# Altium PCB BACKPMANv20.PcbDoc (part 4 of 4) (continued)
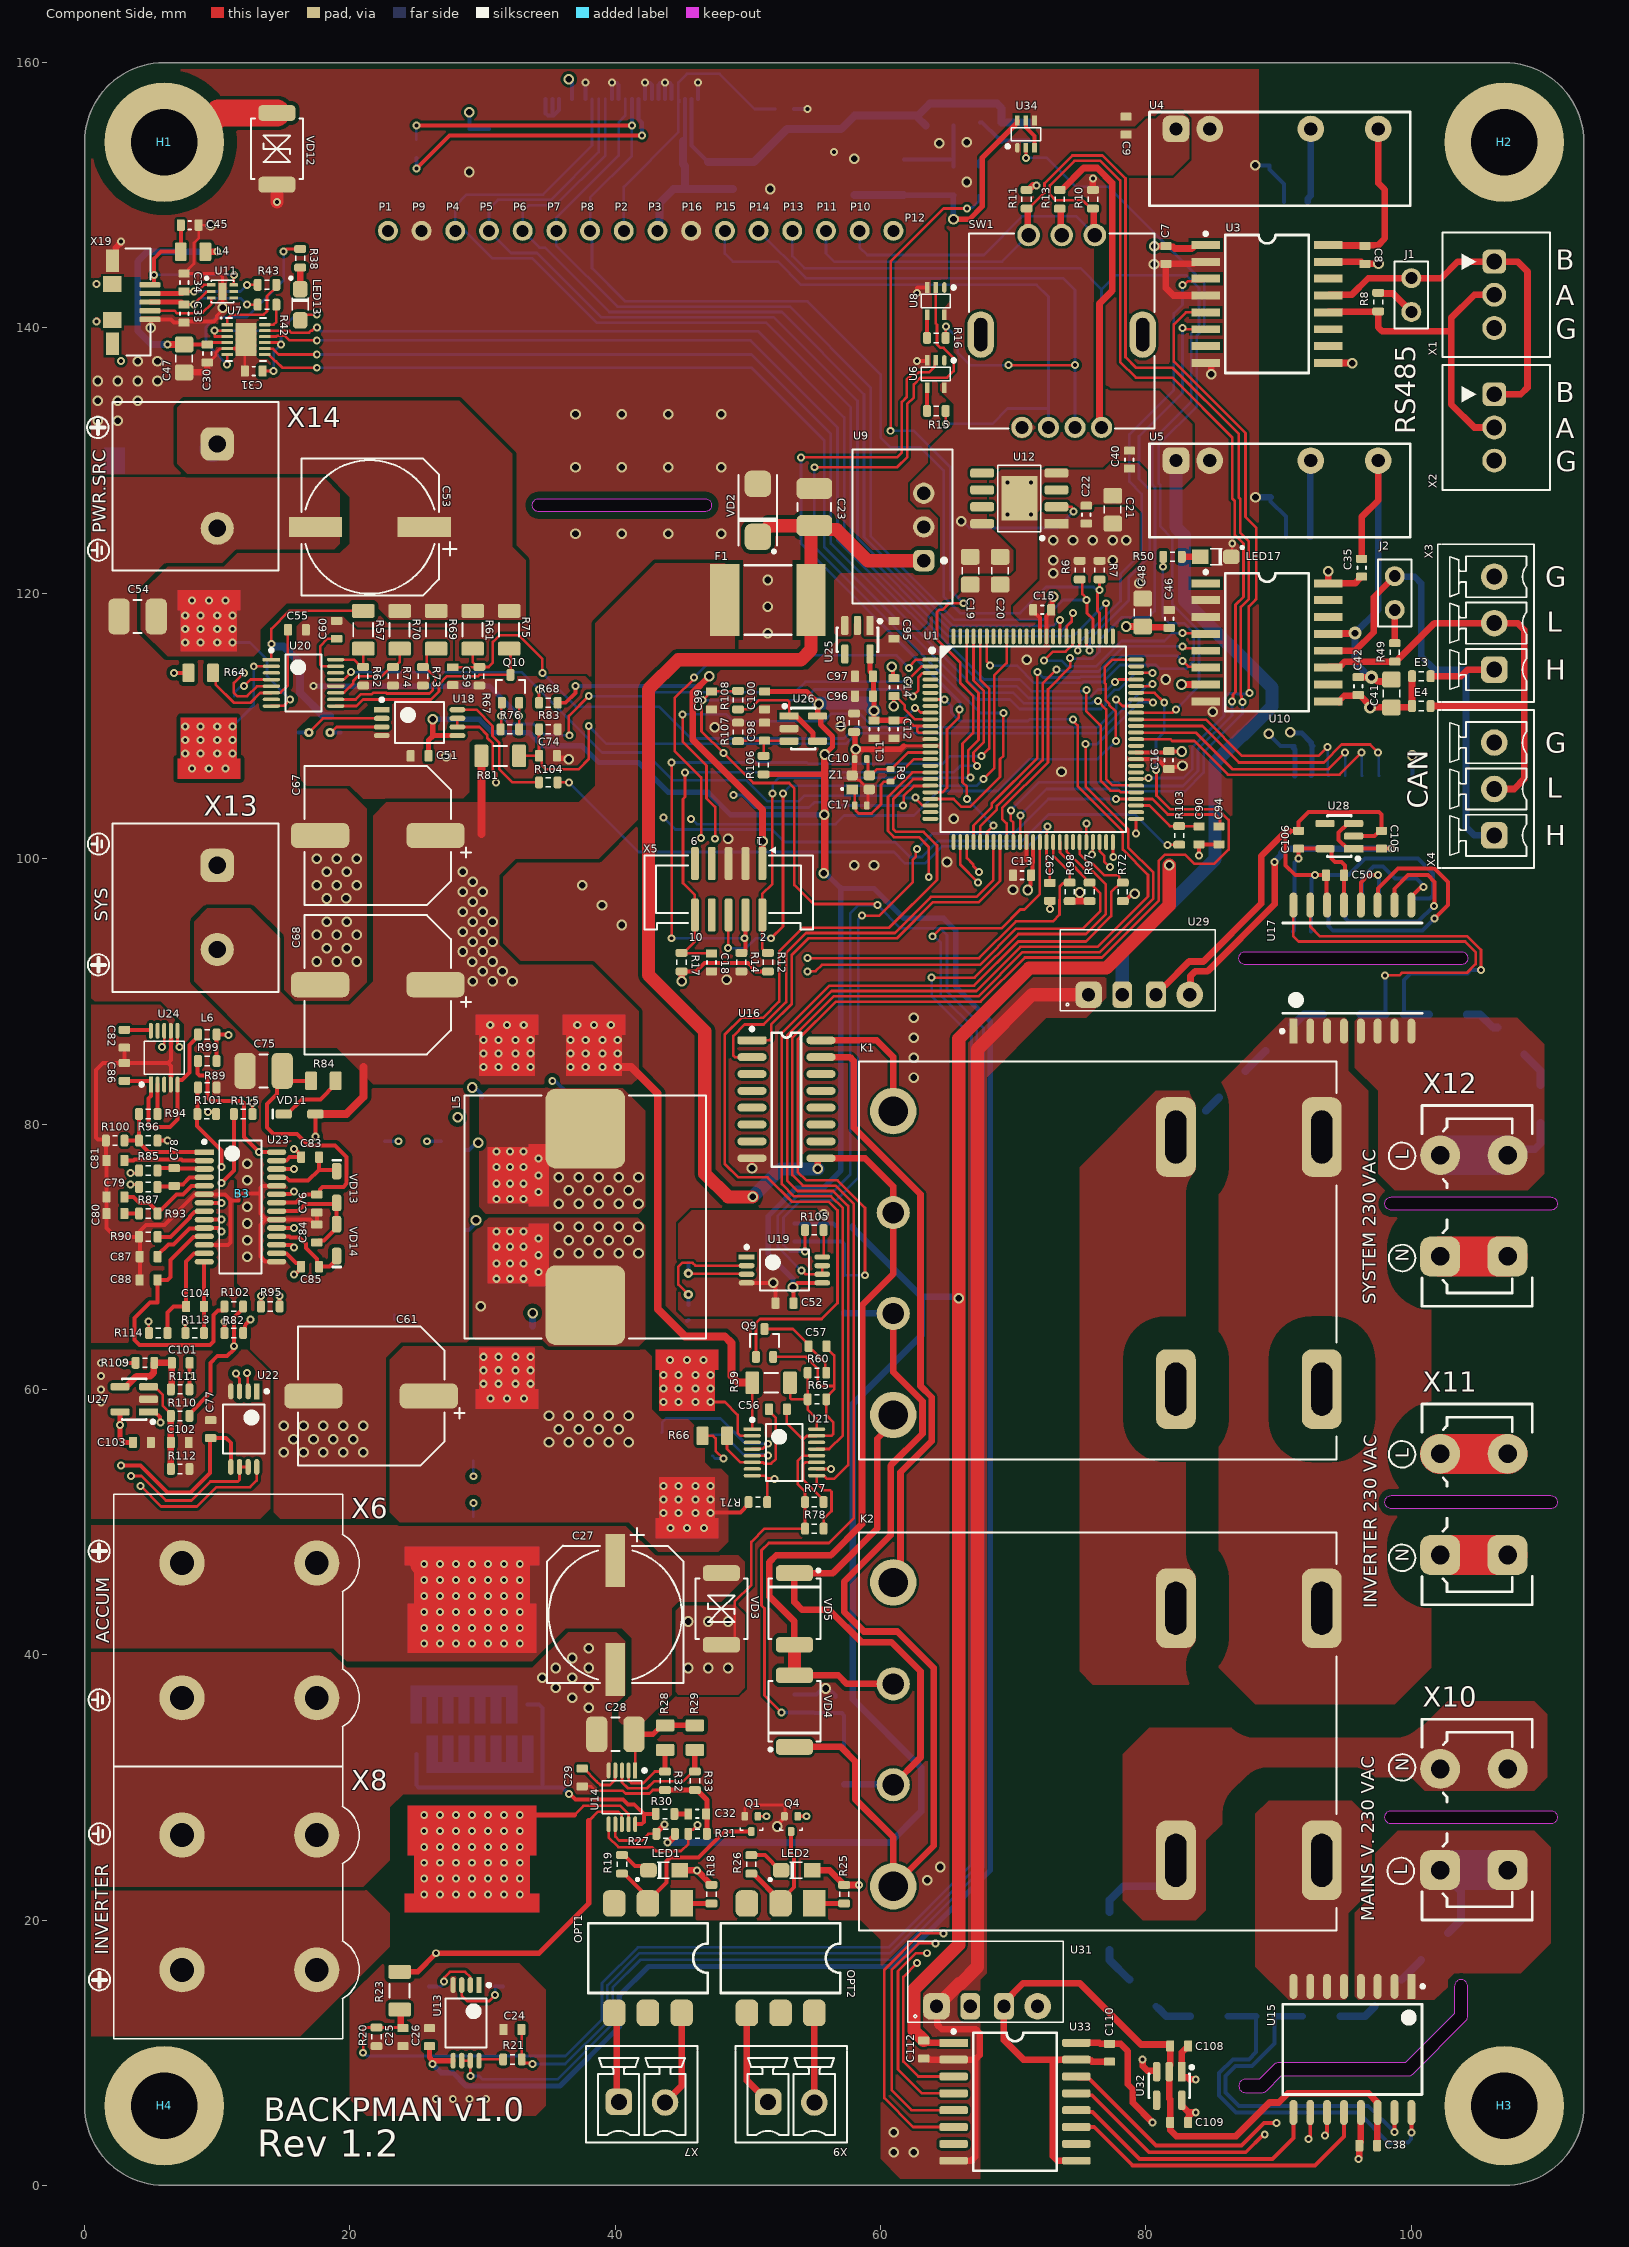
[diagram p0: Component Side view]
## Nets (pads, with @x,y where several pads share a name; then routed paths per layer and width w, separated by ;. In a path a pad name is that pad's centre, name@x,y a point inside that pad or via, vN(x,y) a via of type N, cw(c..) or ccw(c..) an arc to the next point about the centre after c; other vN are vias at no path point) (continued)
  Bottom Layer w0.2: v1(17.5,137) 50.25,137 55.75,131.5 55.75,123.5 67.25,112 69.75,112 70.468,111.282 76.617,111.282 76.968,111.633 76.968,112.067 77.629,112.727 77.921,112.727 79.194,114 v1(80.5,114)
UART0_TX: U1.72 U7.10 | length 82.6
  Component Side w0.2: U7.10@13.58,139.35 14.465,139.35 14.515,139.4 15.1,139.4 15.439,139.061 v1(17.5,139.061) ; v1(77.673,113.327) 77.781,113.327 77.954,113.5 U1.72@79.25,113.5
  Bottom Layer w0.2: v1(17.5,139.061) 50.189,139.061 56.75,132.5 56.75,123.987 67.737,113 70.25,113 71.139,112.111 75.749,112.111 76.388,112.75 77.086,112.75 77.663,113.327 v1(77.673,113.327)
UART1_RTS: U1.57 U3.5 | length 46.4
  Component Side w0.2: U1.57@79.25,106 79.269,106.019 80.136,106.019 v1(80.194,106.078) ; U3.5@84.5,141.17 83.001,141.17 82.1,140.269 82.1,137.466 87.5,132.066 87.5,125.75 88.3,124.95 88.3,119.555 88.25,119.505 88.25,119.5 87.75,119 87.75,112.55 v1(87.8,112.5)
  Bottom Layer w0.2: v1(80.194,106.078) 82.818,106.078 83.475,106.735 83.475,108.366 85.88,110.771 85.88,112.1 86.231,112.452 86.828,112.452 86.865,112.415 87.483,112.415 87.492,112.423 87.723,112.423 v1(87.8,112.5)
UART1_RX: U1.81 U3.3 | length 34.7
  Component Side w0.2: v1(74.856,115.67) 74.895,115.71 74.895,115.951 74.981,116.036 74.981,116.731 U1.81@75,116.75 ; v1(82.75,143.25) 82.885,143.25 83.145,143.51 84.3,143.51 U3.3@84.5,143.71
  Bottom Layer w0.2: v1(74.856,115.67) 74.856,115.778 75.056,115.978 75.056,116.387 78.078,119.409 78.078,121.44 79.675,123.037 79.675,127.5 78.75,128.425 78.75,131.975 82.1,135.325 82.1,141.085 82.75,141.735 v1(82.75,143.25)
UART1_TX: U1.80 U3.6 | length 30.8
  Component Side w0.2: U1.80@75.5,116.75 75.519,116.731 75.519,116.039 75.75,115.808 v1(75.75,115.7) ; v1(82.75,140) 82.85,139.9 U3.6@84.5,139.9
  Bottom Layer w0.2: v1(75.75,115.7) 75.75,116.515 78.7,119.465 78.7,121.2 80.275,122.775 80.275,127.825 79.475,128.625 79.475,131.825 82.75,135.1 v1(82.75,140)
USB_N: C34.1 R43.2 U11.1 X19.2 | length 10.3
  Component Side w0.2: C34.1@7.5,142.75 v1(8.25,142.75) 8.5,142.75 9,143.25 U11.1@9.55,143.25 ; v1(12.25,143.25) R43.2@13.05,143.25
  Component Side w0.381: X19.2@4.927,142.6 5.25,142.6 C34.1@7.35,142.6 ; C34.1@7.35,142.6 C34.1@7.5,142.75 ; C34.1@7.35,142.6 C34.1@7.5,142.75 ; C34.1@7.35,142.6 C34.1@7.5,142.75
  Bottom Layer w0.2: v1(8.25,142.75) 11.75,142.75 v1(12.25,143.25)
USB_P: C33.1 R42.2 U11.2 X19.3 | length 10.3
  Component Side w0.2: C33.1@7.5,141.75 7.512,141.763 8.225,141.763 9.187,142.725 9.526,142.725 U11.2@9.551,142.75 ; v1(12.25,141.75) R42.2@13.05,141.75
  Component Side w0.381: X19.3@4.927,141.95 5.25,141.95 7.3,141.95 C33.1@7.5,141.75
  Bottom Layer w0.2: v1(8.237,141.775) 8.712,142.25 11.75,142.25 v1(12.25,141.75)
VCCIO: C31.1 LED13.1 U7.2 U7.3 U7.9 | length 17.4
  Component Side w0.2: U7.3@10.75,139.35 9.8,139.35 v1(9.8,139.8) U7.2@10.75,139.8 ; C31.1@13.425,136.75 v1(14.25,136.75) ; U7.9@13.58,138.9 14.65,138.9 v1(14.8,138.75) ; LED13.1@16.226,140.551 LED13.1@16.25,140.575 16.675,141 v1(17.5,141)
  Bottom Layer w0.2: v1(9.8,139.8) 14.75,139.8 ; v1(14.25,136.75) 14.25,138.2 v1(14.8,138.75) 14.8,139.75 14.75,139.8 ; v1(17.5,141) 15.95,141 14.75,139.8
VFB: R94.2 R96.1 R100.2 U23.1 | length 8.5
  Component Side w0.3: R100.2@3,78.75 R96.1@4.1,78.75 ; R94.2@4.1,80.75 R96.1@4.1,78.75 ; U23.1@9.025,77.877 4.822,77.877 4.1,78.6 R96.1@4.1,78.75
VIN: C75.1 C76.1 R84.1 U23.22 | length 22
  Component Side w0.3: U23.22@14.475,74.067 14.478,74.07 15.945,74.07 16.55,74.675 C76.1@17.5,74.675 17.6,74.675 17.75,74.825 17.75,75.074 17.926,75.25 19.5,75.25 19.75,75.5 19.75,77.5 18.881,78.369 16.881,78.369 16,79.25 14.25,79.25 13.75,79.75 13.75,81.5 14.5,82.25 14.5,83.481 14.9,83.881 15.531,83.25 R84.1@17.075,83.25
VINSNS: C87.1 R82.1 U23.10 | length 13.6
  Component Side w0.3: C87.1@5.5,70 5.5,70.125 6.31,70.935 6.699,70.935 7.903,72.14 9.002,72.14 U23.10@9.025,72.162 10.063,72.162 v1(10.325,71.9) ; R82.1@10.55,64.25 v1(10.55,65.125)
  Layer 1 w0.3: v1(10.325,71.9) 10.325,65.35 v1(10.55,65.125)
VOUTSNS: C88.1 R102.1 U23.11 | length 20
  Component Side w0.3: U23.11@8.402,71.505 8.39,71.492 8.217,71.492 6.475,69.75 6.475,68.475 6.25,68.25 C88.1@5.5,68.25 5.5,66.532 4.932,66.532 3.775,65.375 3.775,63.725 4.15,63.35 9.45,63.35 9.7,63.6 9.7,65.6 10.05,65.95 10.4,65.95 10.55,66.1 R102.1@10.55,66.25
VREF_1.65V: C99.1 R108.1 U1.3 U13.6 U13.7 U18.6 U18.7 U19.6 U19.7 U22.6 U22.7 | length 324.7
  Component Side w0.2: v1(3.5,53.475) 4.275,53.475 6.125,51.625 8.05,51.625 9.475,53.05 11.558,53.05 11.675,53.167 U22.6@11.675,54.15 U22.7@12.325,54.15 ; U18.7@28.1,110.575 U18.6@28.1,109.925 29.75,109.925 30.35,109.325 30.35,109.079 30.765,108.664 30.765,106.669 31.008,106.427 v1(31.008,105.743) ; U13.6@28.425,9.4 U13.7@29.075,9.4 v1(29.075,8.248) ; R108.1@49.25,112.65 49.225,112.625 47.275,112.625 C99.1@47.25,112.6 47.125,112.6 46.925,112.4 46.925,112.275 46.599,111.949 v1(46.575,111.949) 46.5,111.874 46.5,109.6 v1(48.15,107.95) 50.4,105.7 53.1,105.7 53.5,105.3 53.5,98 54.923,96.577 59.673,96.577 v1(59.75,96.5) ; v1(54.05,68.975) 54.35,68.675 U19.6@55.6,68.675 U19.7@55.6,69.325 ; v1(62.45,112.225) 62.45,112.303 62.836,112.688 62.836,113.672 63.144,113.981 63.731,113.981 U1.3@63.75,114
  Layer 2 w0.2: v1(3.5,53.475) 3.5,61.35 3.8,61.65 3.8,62.25 2.7,63.35 2.7,100.343 5.882,103.525 13.275,103.525 15.5,105.75 31,105.75 31.75,105 37.9,105 39.075,106.175 39.932,106.175 41.707,107.95 v1(48.15,107.95)
  Bottom Layer w0.2: v1(29.075,8.248) 29.747,8.248 29.996,8 35.631,8 39.8,12.169 39.8,14.919 41.881,17 60.793,17 67.75,23.957 67.75,87.25 65,90 65,94.25 64.5,94.75 61.5,94.75 v1(59.75,96.5) 58.325,96.5 57.7,95.875 57.7,76.175 56.175,74.65 53.809,74.65 52.25,73.091 52.25,70.729 54.004,68.975 v1(54.05,68.975) ; v1(46.575,111.949) 54.199,111.949 55,112.75 61.925,112.75 v1(62.45,112.225)
XTAL: C17.1 R9.2 U1.16 Z1.1 | length 10
  Component Side w0.2: Z1.1@57.85,105.225 58.048,105.027 C17.1@58.048,103.925 ; C17.1@58.048,104 58.14,103.908 58.14,103.609 58.349,103.4 59.325,103.4 60.025,104.1 60.025,105.558 60.267,105.8 R9.2@60.75,105.8 ; R9.2@60.788,105.763 62.525,107.5 U1.16@63.75,107.5
pads on no net: H2.0 H3.0 H4.0 LCD1.4 LCD1.G1 LCD1.G2 OPT1.3 OPT1.5 OPT2.3 OPT2.5 SW1.M1 SW1.M2 U1.4 U1.5 U1.6 U1.8 U1.17 U1.24 U1.25 U1.26 U1.44 U1.49 U1.52 U1.58 U1.59 U1.62 U1.74 U1.76 U1.85 U1.88 U1.89 U1.90 U1.91 U1.93 U1.94 U1.99 U1.100 U3.7 U3.10 U3.11 U3.14 U6.1 U8.1 U10.1 U10.10 U10.14 U10.15 U11.4 U11.5 U12.3 U12.5 U12.6 U12.7 U13.1 U16.3 U16.4 U16.5 U16.6 U16.7 U16.10 U16.11 U16.12 U16.13 U16.14 U18.1 U19.1 U20.3 U20.7 U20.14 U21.3 U21.7 U21.14 U22.1 U24.3 U24.9 U25.4 U28.4 U30.7 U30.10 U32.4 U33.7 U33.10 X5.7 X5.8 X5.9 X19.G2 X19.G3 X19.G4
copper on no net: | length 0.1
  Component Side w0.5: v1(0.9,140.5) v1@0.938,140.538
  other v1: 2.75,137.5 0.9,143.3

## Polygon pours and split planes (outlines as drawn)
N1 on Component Side "N1_L01_P325" (solid, pour order 325): 84.5,26 89.25,30.75 100,30.75 101,29.75 109.25,29.75 110.25,30.75 110.25,35.5 109.25,36.5 102.75,36.5 100.75,34.5 80.25,34.5 78.25,32.5 78.25,21.5 79.75,20 83.75,20 84.5,20.75
GND on Component Side "GND_L01_P318" (solid, remove dead copper, pour order 318): 0,160 0,0 37,0 37,19.5 37.5,20 58.5,20 60,18.5 60,2 62,0 67,0 67.5,0.5 67.5,15.5 68,16 68,83.5 72.5,88 75.5,88 77,89.5 77,91 86.5,100.5 86.5,109 88.5,111 88.5,160
PGND on Component Side "PGND_L01_P316" (solid, remove dead copper, pour order 316): 44.5,37.25 44.75,37 49.25,37 49.75,37.5 49.75,43 49,43.75 45,43.75 44.5,43.25
+3V3 on Component Side "+3V3_L01_P314" (solid, remove dead copper, pour order 314): 72,121 70,119 70,118.5 70.5,118 73,118 76,121 78,121 79.5,122.5 79.5,126 79,126.5 72.5,126.5 72,126
INV_PWR on Component Side "INV_PWR_L01_P312" (solid, remove dead copper, pour order 312): 0,22.25 21.25,22.25 23,20.5 23,18 16.25,11.25 0,11.25
AGND on Component Side "AGND_L01_P311" (solid, remove dead copper, pour order 311): 46.5,112.75 48,114.25 54.5,114.25 58.25,118 60.25,118 63.5,114.75 63.5,109 61.5,107 48.25,107 46.5,108.75
AGND on Component Side "AGND_L01_P310" (solid, remove dead copper, pour order 310): 44.75,72.5 45.75,73.5 55.75,73.5 56.5,72.75 56.5,66.5 55.5,65.5 45.25,65.5 44.75,66
AGND on Component Side "AGND_L01_P309" (solid, remove dead copper, pour order 309): 16.25,109.75 17,110.5 20.25,110.5 22.25,112.5 26,112.5 27.25,113.75 37.75,113.75 38.25,113.25 38.25,105.5 37.25,104.5 31.25,104.5 31,104.75 31,108.5 30.5,109 29.25,109 29,108.75 29,105 28.5,104.5 21,104.5 20,105.5 16.75,105.5 16.25,106
+5V on Component Side "+5V_L01_P301" (solid, remove dead copper, pour order 301): 56.5,121 57,121.5 64,121.5 64.5,122 64.5,125.75 63.75,126.5 62.75,126.5 62.25,127 62.25,128.25 63.75,129.75 63.75,131 65.5,132.75 65.5,134.25 64.5,135.25 64.5,135.75 65.5,136.75 65.5,140 64.75,140.75 64.75,141.5 65.25,142 65.25,147.25 65,147.5 65,148.25 65.5,148.75 67,148.75 68,149.75 68,152.5 70.5,155 77,155 79.25,155 80,155.75 80.75,155.75 81.25,156.25 82.75,156.25 83.25,155.75 83.25,152.75 82,151.5 78.25,151.5 76.075,151.5 76.075,136.425 77.25,135.25 81,135.25 83.5,132.75 83.5,128.75 82.75,128 80.25,128 80.25,129.25 79.5,130 77.25,130 76.75,129.5 69,129.5 68,128.5 68,125.25 70,123.25 70,121.75 69.75,121.5 66.25,121.5 66,121.25 66,120.25 65.25,119.5 64.75,119.5 63.5,118.25 63.5,117.75 63,117.25 60.5,117.25 60,116.75 56.75,116.75 56.5,117
CGND on Component Side "CGND_L01_P300" (solid, remove dead copper, pour order 300): 1,89 5.75,89 7.25,87.5 7.25,79.75 11.25,75.75 11.25,67.75 12.25,66.75 12.25,63.5 0,63.5 0,89
PGND on Component Side "Component Side-PGND" (solid, remove dead copper, pour order 299): 7.5,79.75 11.5,75.75 11.5,68 12.5,67 12.5,63 14.25,61.25 14.25,50.75 14.75,50.25 22.25,50.25 22.75,50.75 22.75,62.25 24,63.5 28.75,63.5 29,63.75 29,82.25 28.5,82.75 21.75,82.75 19,85.5 13.25,85.5 8,90.75 8,95.5 9,96.5 12.75,96.5 15,94.25 15,90 15.75,89.25 20,89.25 21.25,90.5 21.25,103.75 19.75,105.25 16,105.25 16,109.75 17,110.75 20.5,110.75 21.5,111.75 26.25,111.75 27.75,113.25 27.75,116.75 27.25,117.25 20.5,117.25 19.5,118.25 16.75,118.25 16,117.5 16,116 15,115 6,115 4,117 4,120.25 6,122.25 10.5,122.25 11.5,123.25 18.75,123.25 19.25,123.75 19.25,127.5 18,128.75 0.75,128.75 0,128 0,90 0.75,89.25 5.75,89.25 7.5,87.5 7.5,86.25
AGND on Component Side "AGND_L01_P297" (solid, remove dead copper, pour order 297): 0,63 12.25,63 14,61.25 14,51 13.25,50.25 0,50.25
AGND on Component Side "AGND_L01_P296" (solid, remove dead copper, pour order 296): 20,14.25 22.5,16.75 32.75,16.75 34.75,14.75 34.75,6 34,5.25 21.25,5.25 20,6.5
PGND on Component Side "PGND_L01_P289" (solid, remove dead copper, pour order 289): 0,40.5 18.25,40.5 19.75,39 33.75,39 36.5,41.75 40,41.75 40.75,41 40.75,37 39.75,36 39.75,31.05 38.2,29.5 24,29.5 23,28.5 23,24.5 21,22.5 0,22.5
ACC_PWR on Component Side "ACC_PWR_L01_P288" (solid, remove dead copper, pour order 288): 0,49.75 40.75,49.75 43,47.5 49.25,47.5 49.75,47 49.75,45.75 48,44 44.75,44 44.25,43.5 44.25,37 42,34.75 40.5,34.75 40.25,35 40.25,36 41.25,37 41.25,41.25 40.5,42 36.25,42 33.75,39.5 19.75,39.5 18.75,40.5 0,40.5
ACC_DC_BUS on Component Side "Component Side-ACC_DC_BUS" (solid, remove dead copper, pour order 287): 23,62.25 23,50.75 23.75,50 41,50 43.25,47.75 47.75,47.75 48.5,48.5 48.5,53.5 48,54 47.25,54 46.75,54.5 46.75,56.5 45.5,57.75 43.5,57.75 42.75,58.5 42.75,62.5 42.25,63 34.75,63 34.5,63.25 24,63.25
SW2 on Component Side "SW2_L01_P283" (solid, remove dead copper, pour order 283): 30.5,73 41.625,73 42.25,72.375 42.25,63.75 41.75,63.25 35,63.25 34.5,63.75 29.5,63.75 29.25,64 29.25,71.75
SW1 on Component Side "SW1_L01_P282" (solid, remove dead copper, pour order 282): 29.75,73.75 30.25,73.25 41.75,73.25 42.25,73.75 42.25,81 40.5,82.75 30.5,82.75 29.75,82
SYS_PWR on Component Side "SYS_PWR_L01_P281" (solid, remove dead copper, pour order 281): 8.25,90.75 13.25,85.75 19,85.75 21.75,83 41.25,83 41.75,83.5 41.75,88.5 38.25,92 32.75,92 31.25,93.5 31.25,98.75 32.5,100 38.75,100 41.75,103 41.75,112.75 44.75,115.75 49,115.75 49,121.5 48.25,122.25 43,122.25 38.5,117.75 38.5,105.5 37.25,104.25 22.75,104.25 21.75,103.25 21.75,90.75 20,89 15.75,89 14.75,90 14.75,94 12.5,96.25 9.25,96.25 8.25,95.25
PSRC on Component Side "PSRC_L01_P280" (solid, remove dead copper, pour order 280): 28.25,134.5 32.25,130.5 32.25,123.5 33.25,122.5 33.25,118.25 33,118 23,118 21.75,119.25 15.25,119.25 13.25,117.25 13.25,115.75 12.75,115.25 6.25,115.25 4.25,117.25 4.25,120 6.25,122 10.5,122 11.5,123 19.25,123 20,123.75 20,127.25 18.25,129 7.75,129 7,129.75 7,134 7.5,134.5
L1 on Component Side "L1_L01_P006" (solid, remove dead copper, pour order 6): 95.75,20.541 97.282,22.073 97.282,25.032 99,26.75 109.25,26.75 110.5,25.5 110.5,18.25 108.25,16 103.24,16 102.74,15.5 102.74,14.94 101.732,14 96,14 95.75,14.25
L2.1 on Component Side "Component Side-NetK1_1" (solid, remove dead copper, pour order 202): 85.5,39 88.25,36.25 98.75,36.25 101.5,39 101.5,71.5 96.75,76.25 96.75,82.5 95.25,84 95.25,87.75 95,88 90.5,88 85.5,83 85.5,78
L2 on Component Side "L2_L01_P030" (solid, remove dead copper, pour order 30): 95.75,87.75 95.75,84.25 97.5,82.5 97.5,76.25 98.75,75 108.75,75 110,76.25 110,86 108,88 96,88
N2 on Component Side "N2_L01_P264" (solid, remove dead copper, pour order 264): 80.75,82.5 75,76.75 75,38.75 76,37.75 87,37.75 87.5,38.25 87.5,82.25 87.25,82.5
L1.1 on Component Side "L1.1_L01_P008" (solid, remove dead copper, pour order 8): 88.25,16.5 90.75,14 95,14 95.25,14.25 95.25,20.5 97,22.25 97,27.5 95.5,29 89.25,29 88.25,28
GND on Bottom Layer "GND_L04_P320" (solid, remove dead copper, pour order 320): 0,160 89,160 89,110.5 91,108.5 100.5,108.5 101,108 101,105 100.5,104.5 87.5,104.5 86,103 86,100 77,91 77,88.5 69.5,81 69.5,20 65.5,16 65.5,12 65,11.5 41.5,11.5 36.5,6.5 36.5,0 0,0
NetQ8_3 on Bottom Layer "NETQ8_3_L04_P293" (solid, remove dead copper, pour order 293): 6.75,110.5 6.75,106.25 7.25,105.75 14.25,105.75 16.5,108 16.5,111 16,111.5 12,111.5 11.5,111 7.25,111 6.75,110.5
PGND on Bottom Layer "PGND_L04_P292" (solid, remove dead copper, pour order 292): 0,128.75 18.25,128.75 19.75,127.25 19.75,123.75 17.5,121.5 6.25,121.5 5.5,120.75 5.5,116 6.25,115.25 6.25,106 7,105.25 16.75,105.25 25,97 25,81.25 25.5,80.75 25.5,77 25.25,76.75 25.25,67.5 24.75,67 24.75,49.75 24.25,49.25 20.75,49.25 19.75,50.25 6,50.25 4.5,48.75 4.5,44.25 8.25,40.5 18.25,40.5 19.75,39 23.25,39 24,38.25 24,30.25 23,29.25 23,24.5 21,22.5 4.25,22.5 -0.249,22.5
PSRC on Bottom Layer "PSRC_L04_P291" (solid, remove dead copper, pour order 291): 4,133.25 5.25,134.5 28.25,134.5 32.25,130.5 32.25,123.5 32.25,119.75 28.75,116.25 13.75,116.25 13.25,115.75 12.75,115.25 6.75,115.25 5.75,116.25 5.75,120.75 6.25,121.25 15,121.25 16.25,122.5 16.25,127.75 15,129 5.25,129 4,130.25
PW2 on Bottom Layer "PW2_L04_P290" (solid, remove dead copper, pour order 290): 7.25,114.75 6.75,114.25 6.75,111.75 7.25,111.25 11.75,111.25 12.25,111.75 12.25,114.25 11.75,114.75
SYS_PWR on Bottom Layer "SYS_PWR_L04_P278" (solid, remove dead copper, pour order 278): 18,104.75 25.5,97.25 25.5,81.501 25.751,81.25 27.5,81.25 28.75,82.5 29.5,83.25 40.5,83.25 42.5,81.25 42.5,72 42.75,71.75 42.75,68.25 43,68 48.5,68 49,68.5 49,90.25 47,92.25 41.75,92.25 30,104 22.5,111.5 18.5,111.5 18,111
SYS_PWR on Bottom Layer "SYS_PWR_L04_P277" (solid, remove dead copper, pour order 277): 3.25,92.75 5,91 11.25,91 12.5,92.25 12.5,94.25 11.5,95.25 4,95.25 3.25,94.5
INV_PWR on Bottom Layer "INV_PWR_L04_P276" (solid, remove dead copper, pour order 276): 0,22 21.5,22 23.75,19.75 26.75,19.75 29.5,17 29.5,12 28,10.5 20.75,10.5 19.25,9 11.75,9 9,11.75 0,11.75
NetB1_1 on Bottom Layer "NETB1_1_L04_P275" (solid, remove dead copper, pour order 275): 23.25,28.75 23.25,20.75 24,20 26.75,20 29.75,17 29.75,12.25 30.75,11.25 36.5,11.25 38,12.75 38,26.75 35.5,29.25 23.75,29.25
NetQ2_2 on Bottom Layer "NETQ2_2_L04_P274" (solid, remove dead copper, pour order 274): 24.5,38 24.5,32 25.5,31 33.75,31 34,31.25 34,37.75 33.25,38.5 25,38.5
ACC_PWR on Bottom Layer "Bottom Layer-ACC_PWR" (solid, remove dead copper, pour order 273): 34.25,39.5 40,45.25 40,51 39,52 30.5,52 29.75,51.25 29.75,50.25 28.5,49 20.25,49 19.5,49.75 6,49.75 4.75,48.5 4.75,44.5 8.25,41 18.25,41 19.75,39.5
NetQ17_2 on Bottom Layer "NETQ17_2_L04_P271" (solid, remove dead copper, pour order 271): 25.5,76.75 26,77.25 29.25,77.25 29.5,77 29.5,67.5 29,67 26,67 25.5,67.5
SW1 on Bottom Layer "SW1_L04_P270" (solid, remove dead copper, pour order 270): 27.225,79.95 29.75,77.425 29.75,73.75 30.25,73.25 41.75,73.25 42.25,73.75 42.25,81 40.25,83 29.5,83 27.225,80.725
NetQ5_3 on Bottom Layer "NETQ5_3_L04_P268" (solid, remove dead copper, pour order 268): 42.75,66 42.75,60.5 42.75,58.25 43,58 48.25,58 48.75,58.5 48.75,66.25 48.25,66.75 43.5,66.75
SW2 on Bottom Layer "SW2_L04_P269" (solid, remove dead copper, pour order 269): 29.75,72.25 29.75,67.5 29,66.75 29,64 29.5,63.5 42,63.5 42.5,64 42.5,72.5 42,73 30.5,73
NetQ5_2 on Bottom Layer "NETQ5_2_L04_P267" (solid, remove dead copper, pour order 267): 42.75,57 42.75,54.5 43.25,54 47.5,54 48,54.5 48,57.5 47.5,58 43.75,58
ACC_DC_BUS on Bottom Layer "ACC_DC_BUS_L04_P265" (solid, remove dead copper, pour order 265): 25.25,66.75 25.5,67 27.5,67 29,65.5 29,63.75 29.25,63.5 42,63.5 42.5,63 42.5,54.5 43.25,53.75 48,53.75 48.5,53.25 48.5,48.5 47.75,47.75 42.25,47.75 40.25,49.75 40.25,51 39,52.25 30,52.25 28.25,50.5 28.25,49.5 28,49.25 25.75,49.25 25.25,49.75
N2 on Bottom Layer "Bottom Layer-NetK1_2" (solid, remove dead copper, pour order 196): 89,64.25 107,64.25 110,67.25 110,72 108.25,73.75 93.25,73.75 84.5,82.5 78,82.5 72.5,77 72.5,41.25 77.5,36.25 84.75,36.25 89,40.5
N1 on Bottom Layer "N1_L04_P028" (solid, remove dead copper, pour order 28): 100,38.25 97.5,35.75 81.25,35.75 77,31.5 77,21.5 77.75,20.75 87.5,20.75 89.75,23 89.75,28.25 91,29.5 108.75,29.5 110,30.75 110,37 108.75,38.25
N3 on Bottom Layer "N3_L04_P024" (solid, remove dead copper, pour order 24): 87.5,65 89.5,63 89.5,58.25 92.25,55.5 95,55.5 98.75,51.75 107.25,51.75 110,49 110,42.5 108.75,41.25 99.5,41.25 94.5,46.25 86.25,46.25 78.75,53.75 78.75,63.75 80,65
L3 on Bottom Layer "L3_L04_P012" (solid, remove dead copper, pour order 12): 90,63.75 90,58.75 92.5,56.25 95.25,56.25 99,52.5 110,52.5 110,60 107.5,62.5 98.75,62.5 96.25,65 91.25,65
GND on Layer 1 "GND_L02_P317" (solid, remove dead copper, pour order 317): 0,129 18.75,129 23.5,124.25 23.5,111 49.25,85.25 49.25,26.5 50.25,25.5 59.25,16.5 59.25,1 60.25,0 67.25,0 68,0.75 68,11.5 67.5,12 67.5,17.25 70.5,20.25 70.5,81 79,89.5 79,92.75 86.5,100.25 90.5,104.25 100.25,104.25 100.5,104.5 100.5,108 99.5,109 92.25,109 88.75,112.5 88.75,160 0,160
PGND on Layer 1 "PGND_L02_P302" (solid, remove dead copper, pour order 302): 18.75,128.5 23.25,124 23.25,110.75 49,85 49,26.5 48,25.5 38.5,25.5 36.75,23.75 36.75,0 0,0 0,128.5
N1 on Layer 1 "N1_L02_P230" (solid, remove dead copper, pour order 230): 100,38.25 97.75,36 81.5,36 77.5,32 77.5,23.25 80,20.75 87.5,20.75 89.75,23 89.75,28.25 91,29.5 108.75,29.5 110,30.75 110,37 108.75,38.25
N2 on Layer 1 "N2_L02_P228" (solid, remove dead copper, pour order 228): 83.34,84.3 79.8,84.3 72.5,77 72.5,37.8 75.1,35.2 83.4,35.2 85.5,37.3 85.5,45.75 85.5,71.5 85.5,78 85.5,82.5
L2.1 on Layer 1 "Layer 1-NetK1_1" (solid, remove dead copper, pour order 222): 85.5,37.25 87.75,35 97.5,35 101.5,39 101.5,71.5 97.9,75.1 97.9,84.3 95,87.2 87.2,87.2 85.5,85.5 85.5,78
IGND on Layer 1 "IGND_L02_P186" (solid, remove dead copper, pour order 186): 91.75,131.8 98.1,131.8 98.9,131 98.9,127.6 103,123.5 111.25,123.5 112.25,122.5 112.25,101.5 111.25,100.5 105.5,100.5 103.75,102.25 103.75,107.75 101,110.5 92.75,110.5 91.75,111.5 91.75,122.25
IGND2 on Layer 1 "IGND2_L02_P184" (solid, remove dead copper, pour order 184): 91.5,159 99.5,159 101,157.5 101,151.25 104.5,147.75 111.25,147.75 112.5,146.5 112.5,130 110.5,128 106.2,128 98.3,135.9 91.5,135.9 91.5,142.7
GND on Layer 2 "GND_L03_P324" (solid, remove dead copper, pour order 324): 0,160 90,160 90,107.5 69.5,87 69.5,19 65.5,15 65.5,12.681 64.055,11.236 63.791,11.5 39.5,11.5 36.75,8.75 36.75,0 0,0
PGND on Layer 2 "Layer 2-PGND" (solid, remove dead copper, pour order 323): 45.5,30.5 50.75,35.75 50.75,61.75 48.25,64.25 45.75,66.75 45.75,84.75 18,112.5 18,122.75 12,128.75 0,128.75 0,18 33,18
AGND on Layer 2 "AGND_L03_P319" (solid, remove dead copper, pour order 319): 79.25,93 75.5,93 69.5,87 69.5,21.25 63.75,15.5 42.5,15.5 39.25,12.25 39.25,10.25 34.5,5.5 25.5,5.5 25,6 25,7.5 25.5,8 33,8 36.5,11.5 36.5,15.5 39.5,18.5 60,18.5 65.75,24.25 65.75,87.225 64.25,88.725 60.4,88.725 59,87.325 59,75.25 55.5,71.75 55.5,68.25 53.75,66.5 51,66.5 50,67.5 50,72 53.75,75.75 53.75,106.75 15.25,106.75 13.25,104.75 12.75,105.25 12.75,107.25 14.75,109.25 39,109.25 40.75,111 57.25,111 59.75,108.5 59.75,103.5 66.5,96.75 79.75,96.75 84.25,101.25 85,101.25 85.5,100.75 85.5,99.25
+3V3 on Layer 2 "+3V3_L03_P313" (solid, remove dead copper, pour order 313): 20.5,160 20.5,143.5 21,143 56,143 61,138 61,124 53,116 38.5,116 36.5,114 36.5,110.5 37,110 40,110 41,111 57.5,111 60,108.5 60,103.5 67,96.5 79.5,96.5 90,107 90,109 90,160
INV_PWR on Layer 2 "INV_PWR_L03_P308" (solid, remove dead copper, pour order 308): 0,22 20.5,22 21.25,21.25 21.25,12.5 20.5,11.75 0,11.75
ACC_PWR on Layer 2 "ACC_PWR_L03_P307" (solid, remove dead copper, pour order 307): 4.75,44.5 9.5,39.75 33.75,39.75 34.5,40.5 34.5,49.25 33.75,50 6.25,50 4.75,48.5
ACC_DC_BUS on Layer 2 "ACC_DC_BUS_L03_P306" (solid, remove dead copper, pour order 306): 29.25,62.75 29.25,58 38.75,48.5 47.5,48.5 48,49 48,53 43,58 37.25,63.75 30.25,63.75 29.75,63.25
SW2 on Layer 2 "SW2_L03_P305" (solid, remove dead copper, pour order 305): 30.25,72.75 30.5,73 42.5,73 42.75,72.75 42.75,68.25 42.25,67.75 30.75,67.75 30.25,68.25
SW1 on Layer 2 "SW1_L03_P304" (solid, remove dead copper, pour order 304): 30.25,78.25 30.25,73.5 30.5,73.25 42.5,73.25 42.75,73.5 42.75,78.25 42.5,78.5 30.5,78.5
SYS_PWR on Layer 2 "SYS_PWR_L03_P303" (solid, remove dead copper, pour order 303): 26.5,99 26.5,84.25 27.25,83.5 40.5,83.5 41,84 41,89.25 30.75,99.5 27,99.5
N1 on Layer 2 "N1_L03_P232" (solid, remove dead copper, pour order 232): 100,38.25 83.75,38.25 77.5,32 77.5,23.25 80,20.75 87.5,20.75 89.75,23 89.75,28.25 91,29.5 108.75,29.5 110,30.75 110,37 108.75,38.25
N2 on Layer 2 "Layer 2-NetK1_2" (solid, remove dead copper, pour order 220): 89,64.25 107,64.25 110,67.25 110,72 108.25,73.75 92.25,73.75 89.75,76.25 89.75,80.5 86.5,83.75 80,83.75 79.25,83.75 72.5,77 72.5,41.25 77.5,36.25 87.25,36.25 89,38
N3 on Layer 2 "N3_L03_P216" (solid, remove dead copper, pour order 216): 87.5,65 89.5,63 89.5,58.25 92.25,55.5 95,55.5 98.75,51.75 107.25,51.75 110,49 110,42.5 108.75,41.25 99.5,41.25 94.5,46.25 86.25,46.25 78.75,53.75 78.75,63.75 80,65
L3 on Layer 2 "L3_L03_P210" (solid, remove dead copper, pour order 210): 90,63.75 90,58.75 92.5,56.25 95.25,56.25 99,52.5 110,52.5 110,60 107.5,62.5 98.75,62.5 96.25,65 91.25,65
IGND on Layer 2 "IGND_L03_P170" (solid, remove dead copper, pour order 170): 91.75,122.25 91.75,114.25 91.75,111.5 92.75,110.5 101,110.5 103.75,107.75 103.75,102.25 105.5,100.5 111.25,100.5 112.25,101.5 112.25,122.5 111.25,123.5 103,123.5 98.9,127.6 98.9,131 98.1,131.8 91.75,131.8
IGND2 on Layer 2 "IGND2_L03_P166" (solid, remove dead copper, pour order 166): 91.5,159 91.5,142.7 91.5,135.9 98.3,135.9 106.2,128 110.5,128 112.5,130 112.5,146.5 111.25,147.75 104.5,147.75 101,151.25 101,157.5 99.5,159

## Silkscreen, mask and mechanical layers (free items; w line width, h text height)
Top Overlay:
  circle w0.15: c99.3,77.6 r1
  circle w0.15: c99.2,23.7 r1
  circle w0.15: c99.3,55.1 r1
  circle w0.15: c99.3,31.5 r1
  circle w0.15: c99.3,47.3 r1
  circle w0.15: c99.3,69.9 r1
  circle w0.15: c1.122,15.5 r0.8
  circle w0.15: c1.097,47.8 r0.8
  circle w0.15: c1.122,26.5 r0.8
  circle w0.15: c1.097,36.6 r0.8
  circle w0.15: c1.046,101.1 r0.8
  circle w0.15: c1.046,92 r0.8
  circle w0.15: c1.047,123.25 r0.8
  circle w0.15: c0.996,132.5 r0.8
  lines w0.2: 0.546,101.1 0.946,101.1 ; 0.547,123.25 0.947,123.25 ; 0.597,36.6 0.997,36.6 ; 0.622,26.5 1.022,26.5 ; 0.946,100.6 0.946,101.6 ; 0.947,122.75 0.947,123.75 ; 0.997,36.1 0.997,37.1 ; 1.022,26 1.022,27 ; 1.296,100.85 1.296,101.35 ; 1.297,123 1.297,123.5 ; 1.347,36.35 1.347,36.85 ; 1.372,26.25 1.372,26.75
  lines w0.3: 0.496,132.5 1.496,132.5 ; 0.546,92 1.546,92 ; 0.597,47.8 1.597,47.8 ; 0.622,15.5 1.622,15.5 ; 0.996,132 0.996,133 ; 1.046,91.5 1.046,92.5 ; 1.097,47.3 1.097,48.3 ; 1.122,15 1.122,16
  text "B" at 110.9,144.4 h1.52
  text "A" at 110.9,141.7 h1.52
  text "G" at 110.9,139.2 h1.52
  text "B" at 110.9,134.4 h1.52
  text "RS485" at 100.3,132 h1.52 r90
  text "A" at 110.9,131.7 h1.52
  text "G" at 110.9,129.2 h1.52
  text "PWR.SRC" at 1.6,124.511 h1 r90
  text "G" at 110.1,120.5 h1.52
  text "L" at 110.2,117.1 h1.52
  text "H" at 110.1,113.5 h1.52
  text "G" at 110.1,108 h1.52
  text "L" at 110.2,104.6 h1.52
  text "CAN" at 101.25,103.75 h1.52 r90
  text "H" at 110.1,101 h1.52
  text "SYS" at 1.75,95.25 h1 r90
  text "L" at 99.8,77.3 h1 r90
  text "N" at 99.8,69.6 h1 r90
  text "SYSTEM 230 VAC" at 97.3,66.4 h1 r90
  text "L" at 99.8,54.8 h1 r90
  text "N" at 99.8,47 h1 r90
  text "INVERTER 230 VAC" at 97.4,43.5 h1 r90
  text "ACCUM" at 1.85,40.85 h1 r90
  text "N" at 99.8,31.2 h1 r90
  text "L" at 99.7,23.4 h1 r90
  text "MAINS V. 230 VAC" at 97.2,19.9 h1 r90
  text "INVERTER" at 1.8,17.4 h1 r90
  text "BACKPMAN v1.0" at 13.5,4.25 h3
  text "Rev 1.2" at 13,1.5 h3.5
Mechanical 1:
  lines w0.05: 0,6 ccw(c6,6) 6,0 107,0 ccw(c107,6) 113,6 113,154 ccw(c107,154) 107,160 6,160 ccw(c6,154) 0,154 0,6
  lines w1: 34.25,126.65 46.75,126.65 ; 87.5,7.5 88.75,7.5 90,8.75 99.75,8.75 103.75,12.75 103.75,15 ; 87.5,92.5 103.75,92.5 ; 98.5,27.75 110.5,27.75 ; 98.5,51.5 110.5,51.5 ; 98.5,74 110.5,74

## Text inside footprints (layer, text, board x,y; h text height)
X5: Top Overlay "1" at 51.155,101.611 h0.6 r180; Top Overlay "9" at 46.205,101.611 h0.6 r180; Top Overlay "10" at 45.555,93.761 h0.6; Top Overlay "2" at 50.905,93.761 h0.6